# KiCad board for_real_486_2.kicad_pcb (continued)
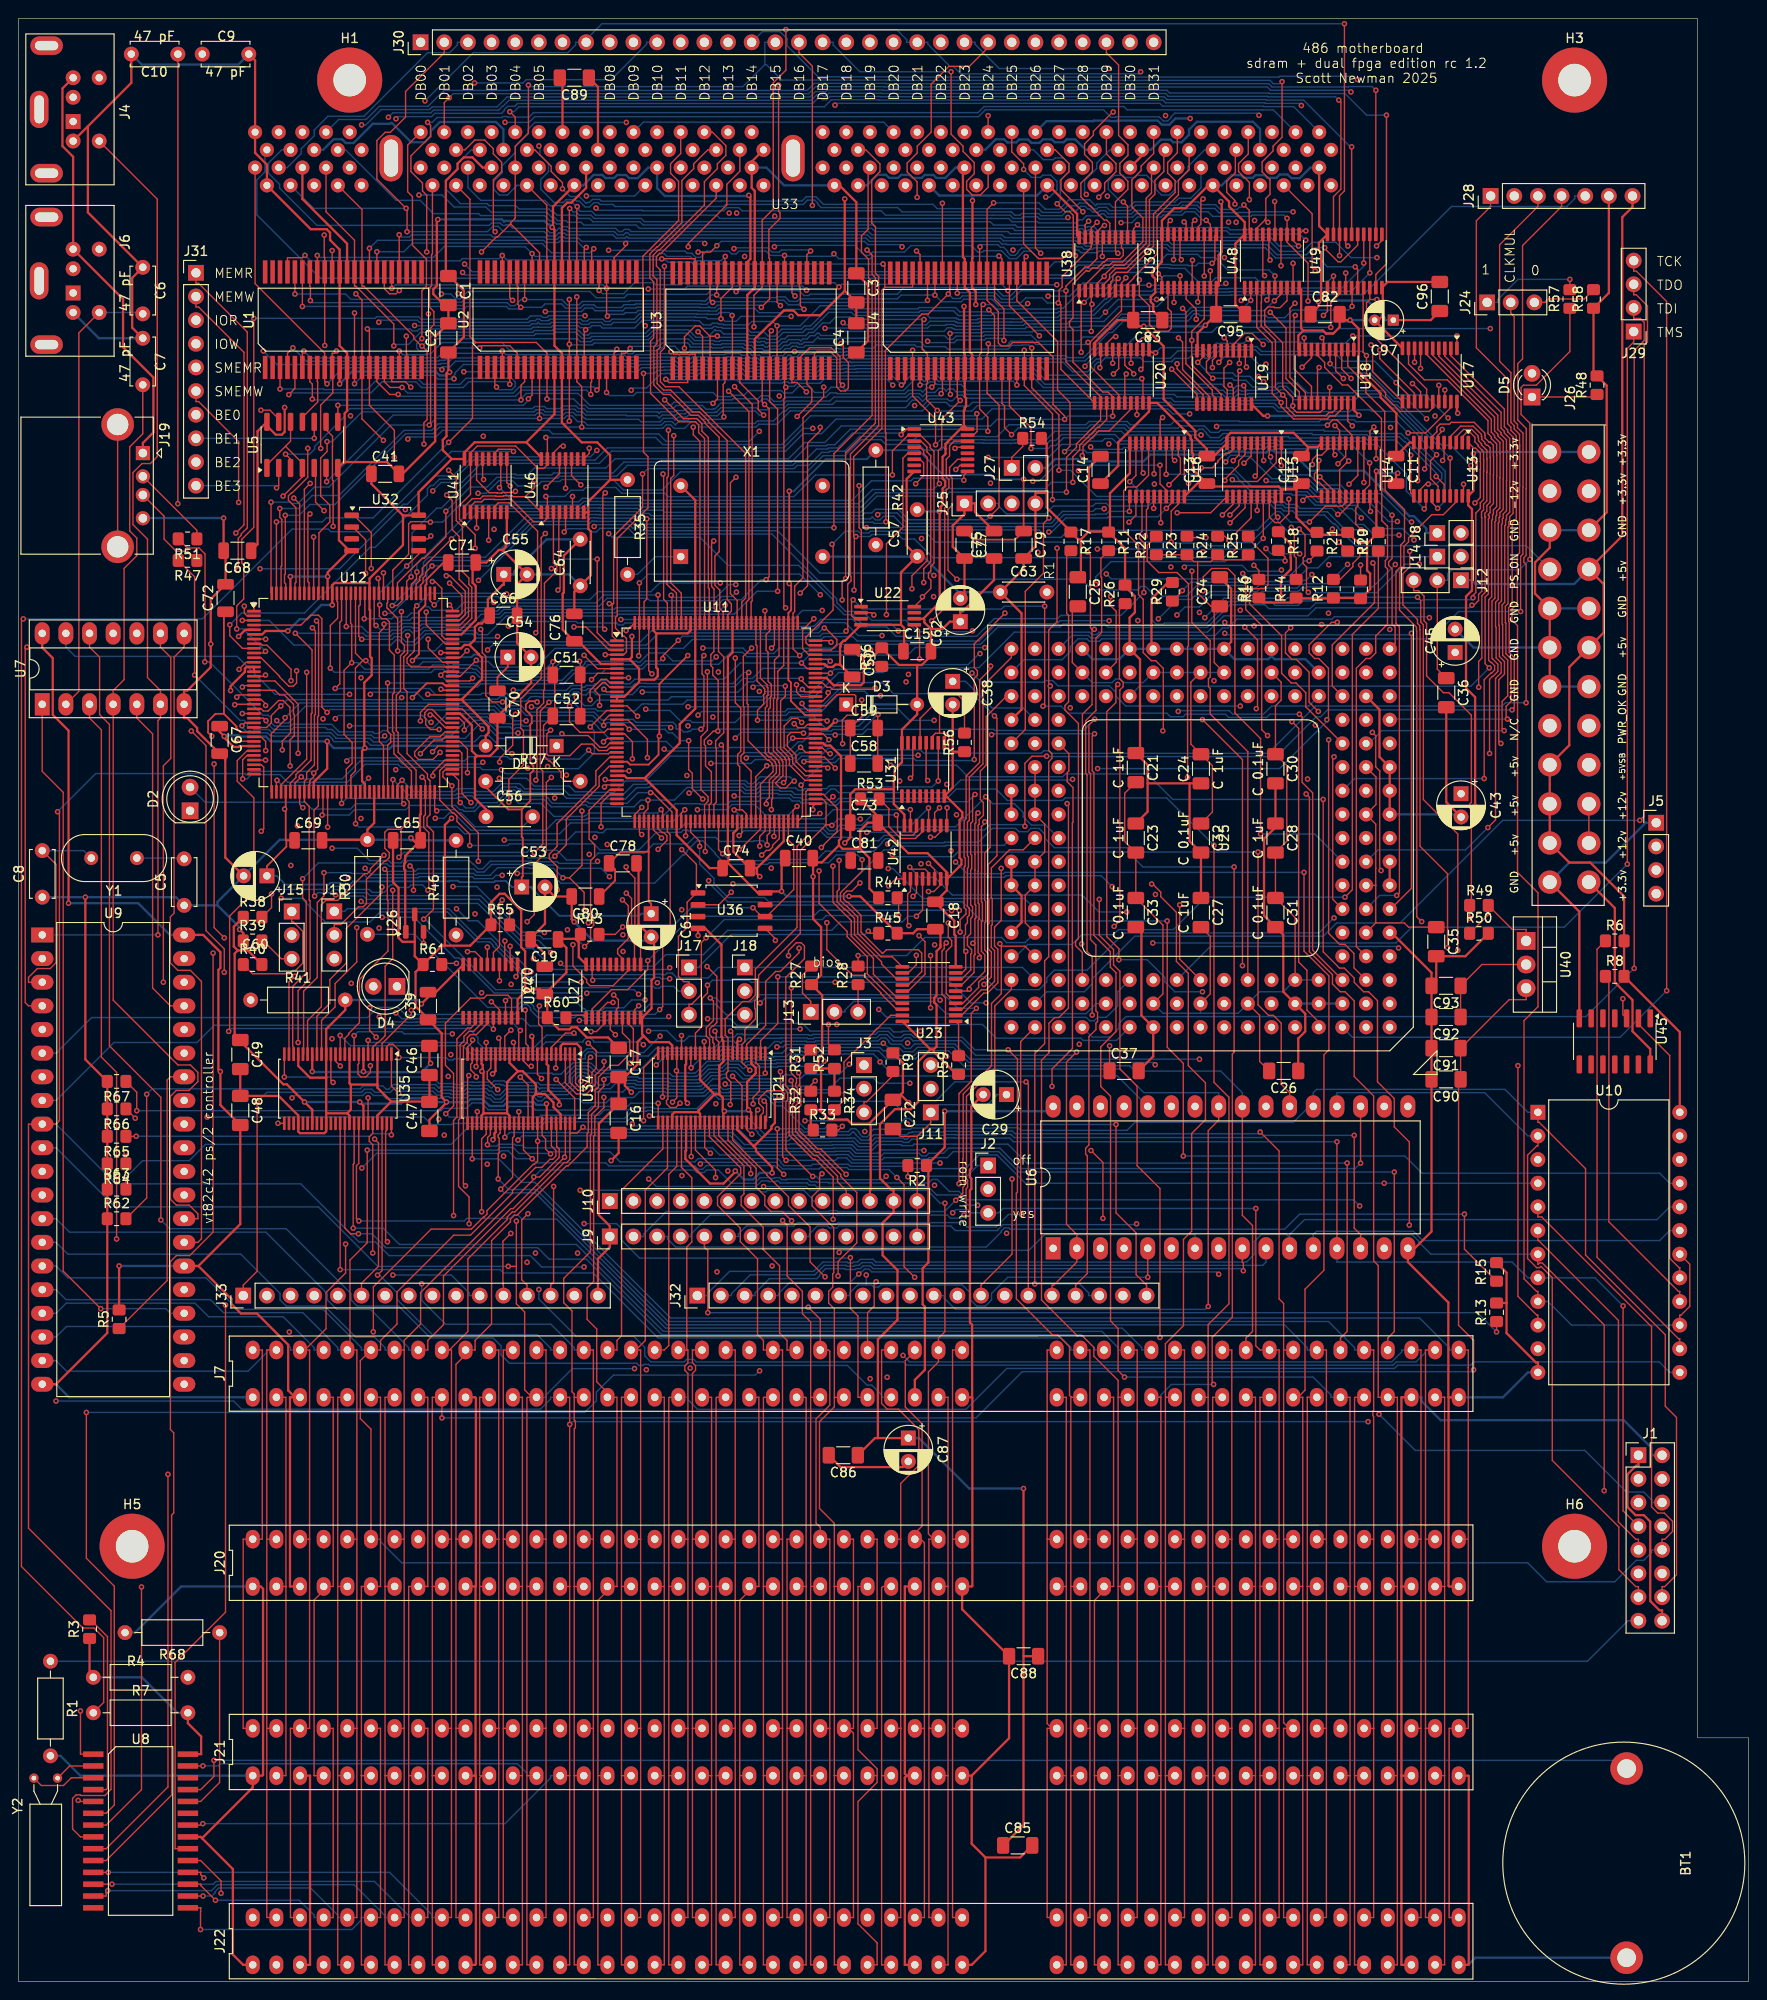
[diagram p0: board, top side]
## Routing (per net, layer and track width the routed paths; a pad name or vN(x,y) marks a point on that pad's centre or on a via; arc(x,y) is an arc through that point) (continued)
A11: length 48.8
  Top w0.15: U14.5 143.2,166.11 141.59,167.72 141.15,167.72 v1(140.59,167.16)
  In1.Cu w0.15: U25.R12 120.83,142.09 120.83,143.56 123.47,146.19 125.15,146.19 126,147.04 v1(126.84,147.04)
  In2.Cu w0.15: v1(128.67,167.01) 128.11,166.45 128.11,158.5 127.76,158.15 127.76,157.56 127.89,157.43 127.89,156.96 128.11,156.74 128.11,155.82 128.47,155.45 128.47,154.69 128.36,154.58 128.36,154.39 128.11,154.14 128.11,153.99 128.15,153.95 128.15,153.18 128.11,153.14 128.11,149.37 126.84,148.1 v1(126.84,147.04)
  Bottom w0.15: v1(140.59,167.16) 128.82,167.16 v1(128.67,167.01)
A12: length 29.4
  Top w0.15: U14.6 142.55,163.84 v1(141.72,163.01)
  In1.Cu w0.15: v1(140.73,152.16) 139.15,152.16 137.26,150.28 137.26,145.16 136.72,144.62 133.52,144.62 U25.S7
  In2.Cu w0.15: v1(141.72,163.01) 141.13,162.41 141.13,159.51 140.54,158.93 140.54,152.35 v1(140.73,152.16)
A13: length 40.2
  Top w0.15: U14.7 141.9,166.59 v1(141.39,167.1)
  In1.Cu w0.15: U25.Q10 125.68,139.32 127.18,139.32 128.22,140.36 128.22,140.83 129.25,141.86 129.73,141.86 130.76,142.89 130.76,143.66 v1(132.7,145.6)
  In2.Cu w0.15: v1(132.7,145.6) 132.7,150.68 137.37,155.34 137.75,155.34 138.15,155.74 138.15,156.24 137.37,157.02 137.37,163.08 v1(141.39,167.1)
A14: length 24
  Top w0.15: U14.8 141.25,164.1 v1(141.38,163.97)
  In1.Cu w0.15: v1(139.95,145.74) 137.34,143.13 U25.S5
  In2.Cu w0.15: v1(141.38,163.97) 140.77,163.36 140.77,159.66 139.95,158.84 v1(139.95,145.74)
A15: length 28.9
  Top w0.15: U14.9 140.6,164.56 139.97,163.93 139.44,163.93 138.97,163.47 v1(138.97,162.93)
  In2.Cu w0.15: U25.R7 133.42,141.97 133.42,150.83 137.55,154.96 137.87,154.96 139.23,156.33 139.23,156.99 138.97,157.25 v1(138.97,162.93)
A16: length 34.2
  Top w0.15: U15.2 135.09,165.11 135.09,163.14 133.06,161.1 130.56,161.1 v1(130.37,161.3)
  In1.Cu w0.15: v1(128.4,139.7) 128.4,139.49 U25.Q9
  In2.Cu w0.15: v1(128.4,139.7) 128.4,148.15 128.82,148.57 128.82,152.86 128.85,152.89 128.85,153.89 129.06,154.1 129.06,154.28 129.17,154.39 129.17,156.69 128.71,157.15 128.71,158.1 128.82,158.21 128.82,161.29 129.35,161.81 129.85,161.81 v1(130.37,161.3)
A17: length 43.2
  Top w0.15: v1(145.47,152.35) 145.64,152.18 145.64,148.09 141.1,143.55 141.1,139.14 U25.Q3 ; U15.3 134.34,163.88 v1(134.47,163.75)
  In1.Cu w0.15: v1(145.47,152.35) 146.16,152.35 149.62,155.81 v1(149.62,156.75)
  Bottom w0.15: v1(134.47,163.75) 134.47,163.15 135.81,161.81 138.67,161.81 139.75,160.72 141.99,160.72 142.92,159.79 146.38,159.79 149.42,156.75 v1(149.62,156.75)
A18: length 30
  Top w0.15: U15.4 133.69,163.4 v1(133.73,163.36)
  In2.Cu w0.15: v1(137.6,153.34) 137.6,151.01 139.16,149.45 139.16,148.89 138.38,148.12 138.38,142.35 137.11,141.08 U25.R5 ; v1(133.73,163.36) 134.57,162.52 134.57,154.49 v1(133.97,153.9)
  Bottom w0.15: v1(133.97,153.9) 134.54,153.34 v1(137.6,153.34)
A19: length 67.2
  Top w0.15: U15.5 133.04,161.9 v1(132.82,161.68)
  In1.Cu w0.15: v1(132.82,161.68) 132.82,161.54 134.51,159.85 136.7,159.85 137.08,159.47 137.08,159.02 136.7,158.64 136.2,158.64 135.69,159.15 125.77,159.15 125.02,159.89 122.93,159.89 v1(121.99,160.83)
  In2.Cu w0.15: v1(124.56,136.41) 123.36,137.61 123.36,148.48 123.1,148.74 123.1,155.38 123.26,155.54 123.26,157.26 122.71,157.82 122.71,158.31 121.99,159.03 v1(121.99,160.83)
  Bottom w0.15: U25.Q4 138.59,136.98 134.59,136.98 133.71,136.11 130.41,136.11 130.03,136.49 124.64,136.49 v1(124.56,136.41)
A20: length 28.7
  Top w0.15: v1(131.62,163.07) 132.39,163.83 U15.6
  In2.Cu w0.15: v1(131.62,163.07) 131.12,162.57 131.12,154.74 130.93,154.54 130.93,154.38 130.7,154.15 130.7,153.51 130.71,153.5 130.71,153.02 130.7,153.01 130.7,152.92 130.21,152.43 130.21,146.98 130.57,146.62 130.57,139.13 U25.Q8
A20M: length 26.2
  In1.Cu w0.15: U25.D15 110.44,108.84 108.94,108.84 107.9,107.8 107.9,107.32 107.09,106.51 103.71,106.51 102.25,105.05 101.75,105.05 94.88,98.18 92.18,98.18 91.93,98.42 J3.1
A21: length 37.6
  Top w0.15: v1(132.94,136.7) 133.07,136.83 133.07,144.09 v1(131.7,145.46) ; v1(129.57,161.22) 129.57,161.35 131.05,162.83 131.05,163.31 131.74,164 U15.7
  In1.Cu w0.15: v1(129.56,145.97) 131.19,145.97 v1(131.7,145.46) ; v1(132.94,136.7) 135.77,136.7 U25.Q5
  In2.Cu w0.15: v1(129.57,161.22) 130.7,160.09 130.7,155.51 130.58,155.39 130.58,154.53 130.35,154.3 130.35,154.22 129.98,153.85 129.88,153.85 129.55,153.52 129.55,145.97 v1(129.56,145.97)
A22: length 30.7
  Top w0.15: v1(130.47,163.35) 131.09,163.97 U15.8
  In2.Cu w0.15: v1(130.47,163.35) 130.77,163.64 131.86,163.64 132.2,163.3 132.2,162.83 131.48,162.1 131.48,154.43 131.05,154.01 131.05,153.66 131.06,153.65 131.06,152.78 131.05,152.77 131.05,152.09 130.56,151.6 130.56,148.04 130.65,147.95 130.65,147.04 130.95,146.74 130.95,139.13 U25.Q7
A23: length 46
  Top w0.15: v1(127.04,162.58) 128.22,162.58 128.81,163.18 128.81,163.3 129.65,164.13 130.04,164.13 130.44,164.53 U15.9
  In1.Cu w0.15: v1(149.88,154.82) 149.63,154.82 146.25,151.45 146.25,147.19 U25.S3
  Bottom w0.15: v1(149.88,154.82) 148.65,156.04 146.21,156.04 143.72,158.54 142.54,158.54 141.82,159.26 139.62,159.26 139.22,159.66 139.22,159.67 138.54,160.35 138.06,160.35 137.91,160.5 132.49,160.5 130.4,162.58 v1(127.04,162.58)
A24: length 40
  Top w0.15: v1(123.57,160.76) 124.79,161.98 124.79,163.62 124.57,163.84 U16.2
  In2.Cu w0.15: v1(135.65,151.6) 136.17,151.08 136.17,148.49 135.68,148 135.68,139.15 U25.Q6 ; v1(123.57,160.76) 123.57,160.31 125.4,158.49 125.4,152.08 v1(125.22,151.9)
  Bottom w0.15: v1(125.22,151.9) 125.4,152.09 131.44,152.09 132.06,151.46 135.51,151.46 v1(135.65,151.6)
A25: length 46.5
  Top w0.15: U16.3 123.92,163.63 v1(124.18,163.37)
  In1.Cu w0.15: v1(147.28,145.21) 145.77,143.7 145.77,141.62 U25.R2 ; v1(133.99,161.2) 133.99,161.33 133.06,162.26 132.58,162.26 132.32,162 126.81,162 125.44,163.37 v1(124.18,163.37)
  In2.Cu w0.15: v1(147.28,145.21) 147.28,155.99 v1(148.1,156.81)
  Bottom w0.15: v1(133.99,161.2) 134.14,161.05 138.34,161.05 139.43,159.97 141.61,159.97 142.69,158.89 145.07,158.89 147.16,156.81 v1(148.1,156.81)
A26: length 40.7
  Top w0.15: U16.4 v1(123.27,161.88)
  In2.Cu w0.15: v1(144.22,157.19) 144.8,156.62 144.8,143.19 U25.S2
  Bottom w0.15: v1(123.27,161.88) 130.61,161.88 130.94,161.54 130.94,161.43 132.23,160.14 137.14,160.14 137.28,160 138.4,160 138.87,159.52 138.87,159.48 139.44,158.91 141.67,158.91 142.39,158.19 143.23,158.19 v1(144.22,157.19)
A27: length 47.6
  Top w0.15: U16.5 122.61,167.71 v1(122.88,167.97) ; v1(147.53,157.48) 147.53,152.83 147.16,152.47 147.16,152.09 147.53,151.72 147.53,145.78 147.86,145.45 147.86,143.71 U25.S1
  In1.Cu w0.15: v1(122.88,167.97) 125.33,165.52 127.34,165.52 v1(129.66,163.21)
  Bottom w0.15: v1(147.53,157.48) 145.77,159.24 142.83,159.24 141.76,160.32 139.58,160.32 138.5,161.41 134.61,161.41 132.2,163.81 131.19,163.81 131.08,163.92 130.19,163.92 129.89,163.62 129.89,163.44 v1(129.66,163.21)
A28: length 57.9
  Top w0.15: v1(121.96,161.92) U16.6
  In2.Cu w0.15: v1(121.96,161.92) 122.58,161.31 122.58,160.42 125.04,157.96 125.04,152.54 124.42,151.92 v1(124.42,146.77) ; U25.R1 148.32,141.64 148.32,145.54 147.88,145.98 v1(147.88,152.19)
  Bottom w0.15: v1(147.88,152.19) 145.47,149.78 138.3,149.78 138.21,149.69 137.85,149.69 137.47,149.3 133.55,149.3 133.16,148.91 128.1,148.91 126.81,147.62 125.27,147.62 v1(124.42,146.77)
A29: length 57.3
  Top w0.15: U16.7 121.37,165.16 121.37,161.77 120.11,160.51 119.1,160.51 118.69,160.11 118.69,155.84 120.3,154.24 120.3,148.94 120.8,148.44 120.8,142.72 121.66,141.86 122.13,141.86 122.95,141.04 122.95,134.37 v1(122.9,134.32)
  In1.Cu w0.15: U25.P2 143.24,134.01 134.77,134.01 134.39,134.39 122.97,134.39 v1(122.9,134.32)
A30: length 57.1
  Top w0.15: U16.8 120.67,162.14 v1(120.79,162.01)
  In1.Cu w0.15: v1(140.7,146.95) 140.7,149.32 v1(138.91,151.11) ; v1(139.3,134.94) 141.62,134.94 U25.P3
  In2.Cu w0.15: v1(120.79,162.01) 120.79,156.17 121.05,155.92 121.15,155.92 121.88,155.19 121.88,148.64 v1(122.31,148.21) ; v1(139.3,134.94) 139.01,135.23 139.01,136.67 139.33,137 140.08,137 140.7,137.61 v1(140.7,146.95)
  Bottom w0.15: v1(122.31,148.21) 122.88,148.78 125.42,148.78 126.57,149.94 131.7,149.94 132.01,149.63 132.88,149.63 133.26,150.01 136.57,150.01 136.93,150.36 137.53,150.36 137.66,150.48 138.28,150.48 v1(138.91,151.11)
A31: length 53.9
  Top w0.15: v1(119.36,161.09) 120.02,161.75 U16.9
  In2.Cu w0.15: v1(148.27,155.34) 148.45,155.16 148.45,151.95 148.32,151.82 148.32,146.21 148.68,145.86 148.68,139.45 U25.Q1
  Bottom w0.15: v1(148.27,155.34) 145.61,155.34 144.46,156.49 143.59,156.49 141.52,158.56 139.27,158.56 138.52,159.31 138.52,159.38 138.25,159.65 136.82,159.65 136.68,159.79 132.09,159.79 131.8,160.08 120.37,160.08 v1(119.36,161.09)
AB00: length 428.5
  Top w0.15: U13.18 154.42,158.92 153.02,157.53 151.78,157.53 149.3,155.06 149.3,154.63 148.81,154.13 148.81,151.8 148.33,151.33 148.33,147.28 150.15,145.46 150.15,145.07 150.18,145.03 150.18,114.35 v1(150.7,113.83) ; U12.49 v1(33.19,123.98) ; U21.2 79.7,101.05 81.54,102.89 v1(81.54,107.9) ; U8.10 9.4,12.98 16.44,20.02 16.44,50.09 16.66,50.32 16.66,58.92 16.3,59.28 16.3,77.32 16.95,77.96 18.38,77.96 20.89,80.47 v1(20.89,110.45)
  In1.Cu w0.15: v1(20.89,110.45) 20.89,111.7 26.6,117.41 27.69,117.41 31.53,121.25 ; v1(69.93,108.88) 69.93,108.97 71,110.03 73.03,110.03 73.37,109.69 73.37,108.77 73.71,108.43 75.53,108.43 76.88,109.78 76.88,109.87 77.04,110.03 79.41,110.03 v1(81.54,107.9) ; v1(141.3,114.23) 141.7,113.83 v1(150.7,113.83) ; v1(33.19,123.98) 33.19,122.91 31.53,121.25 ; 31.53,121.25 v1(36.78,116)
  In2.Cu w0.15: v1(150.7,113.83) 150.7,101.26 145.42,95.97 145.42,86.57 139.06,80.22 139.06,78.74 ; J1.4 176.53,55.1 176.81,55.1 177.69,55.98 177.69,61.01 177.35,61.34 177.35,78.63 178.3,79.57 178.43,79.57 U10.19
  Bottom w0.15: v1(69.93,108.88) 69.74,108.69 57.49,108.69 55.24,110.94 54.17,110.94 49.32,115.78 36.99,115.78 v1(36.78,116) ; 139.06,78.74 139.06,80.22 139.42,80.57 149.82,80.57 150.82,79.57 176.27,79.57 177.35,80.65 U10.19 ; v1(141.3,114.23) 139.68,112.62 118.76,112.62 114.76,108.62 111.26,108.62 110.44,107.8 110.44,107.35 109.61,106.52 105.07,106.52 103.69,107.9 v1(81.54,107.9)
AB01: length 551.4
  Top w0.15: v1(31.56,145.39) 31.87,145.08 31.87,136.09 31.77,135.99 31.77,130.67 30.94,129.84 30.94,129.14 30.69,128.89 U12.44 30.69,126.73 30.69,126.73 31.21,126.21 31.21,116.17 31.31,116.08 31.31,107.7 30.02,106.41 v1(30.02,100.84) ; v1(78.9,94.25) 78.9,94.95 79.57,95.62 79.57,98.3 79.2,98.67 U21.3 ; v1(51.33,171.25) 51.16,171.43 U2.3 ; U4.3 95.22,171.7 95,171.47 v1(94.83,171.47) ; v1(28.08,171.04) U1.3 ; v1(16.04,54.46) 16.04,20.89 9.4,14.25 U8.9 ; v1(69.51,172.08) 69.87,171.73 71.87,171.73 U3.3 ; U13.17 v1(153.76,163.61)
  In1.Cu w0.15: 31.71,66.13 31.71,68.07 30.02,69.76 v1(29.08,69.76) ; 31.71,66.13 31.71,62.49 23.68,54.46 v1(16.04,54.46) ; 31.71,66.13 55.64,66.13 56.9,67.39 56.9,68.32 60.76,72.18 65.55,72.18 67.03,73.66 J32.1 ; v1(51.33,171.25) 52.3,172.22 66.53,172.22 66.67,172.08 v1(69.51,172.08)
  In2.Cu w0.15: U10.20 178.43,82.11 178.3,82.11 175.12,78.93 175.12,53.41 174.27,52.56 173.99,52.56 173.99,51.44 ; J32.1 72.9,74.79 72.5,75.19 72.5,88.03 72.88,88.41 72.88,88.91 78.22,94.25 v1(78.9,94.25) ; v1(28.08,171.04) 28.08,170.56 29.24,169.4 29.24,161.66 28.98,161.39 28.98,159.08 29.22,158.84 29.22,155.41 29.78,154.85 29.78,147.16 v1(31.56,145.39) ; v1(30.02,100.84) 30.02,92.28 28.08,90.34 28.08,70.76 v1(29.08,69.76)
  Bottom w0.15: v1(28.08,171.04) 32.72,171.04 32.78,170.98 37.43,170.98 38.61,172.16 42.88,172.16 43.49,171.55 47.42,171.55 48.06,172.19 52.95,172.19 53.33,171.81 53.33,171.32 52.98,170.96 51.62,170.96 v1(51.33,171.25) ; J32.1 74.02,73.66 74.02,73.92 76.36,76.26 85.39,76.26 86.39,77.26 89.01,77.26 89.11,77.17 89.58,77.17 89.68,77.26 90.12,77.26 90.42,77.56 91.77,77.56 92.07,77.26 131.9,77.26 132.71,78.08 132.71,79.46 133.49,80.23 136.21,80.23 136.52,79.91 ; v1(69.51,172.08) 69.57,172.02 77.14,172.02 77.49,171.68 82.04,171.68 82.16,171.8 82.64,171.8 82.76,171.68 83.15,171.68 83.5,172.02 84.6,172.02 84.63,172.06 85.98,172.06 86.37,172.44 93.86,172.44 v1(94.83,171.47) 95.76,172.4 97.21,172.4 97.29,172.31 97.36,172.31 97.57,172.52 98.63,172.52 98.92,172.23 109.05,172.23 110.08,171.2 128.62,171.2 128.93,170.89 129.39,170.89 129.74,170.54 130.51,170.54 130.86,170.89 131.28,170.89 131.35,170.82 131.83,170.82 131.91,170.89 134.98,170.89 135.41,171.32 136.18,171.32 137.23,170.27 143.47,170.27 143.71,170.51 146.38,170.51 147.54,169.34 148.04,169.34 150.7,166.68 v1(153.76,163.61) ; U10.20 177.35,83.19 175.98,81.82 138.12,81.82 136.52,80.22 136.52,79.91 ; 136.52,79.91 U6.11
AB02: length 580.3
  Top w0.15: v1(96.02,175.2) U4.4 96.02,170.29 98.49,167.82 v1(98.49,165.05) ; v1(70.07,175.05) 70.34,174.78 72.67,174.78 U3.4 ; v1(85.31,125.85) 85.31,126.23 U11.73 ; U8.8 6.64,15.52 5.8,16.36 5.8,19.66 6.17,20.03 6.63,20.03 6.69,19.96 9.26,19.96 9.93,20.63 9.93,39.81 1.06,48.68 1.06,92.08 U9.9 4.02,92.08 4.38,92.44 4.38,125.44 v1(4.18,125.64) ; U2.4 v1(51.95,175.11) ; v1(83.83,110.97) 83.83,110.49 81.82,108.48 81.31,108.48 80.24,107.41 80.24,102.68 78.2,100.64 U21.5 ; v1(29.46,175.46) 28.88,174.88 U1.4 ; U12.45 31.19,128.55 31.29,128.65 31.29,129 31.7,129.4 v1(31.7,129.78) 32.12,130.2 32.12,135.84 32.22,135.94 32.22,145.9 v1(32,146.13) ; v1(152.27,161.64) 153.12,160.79 U13.16
  In1.Cu w0.15: J32.2 74.31,73.66 74.31,74.36 71.94,76.74 v1(60.73,76.74)
  In2.Cu w0.15: v1(29.46,175.46) 29.6,175.33 29.6,160.17 30.16,159.61 30.16,158.95 29.81,158.6 29.81,156.28 30.04,156.04 30.04,155.08 30.2,154.93 30.2,147.92 v1(32,146.13) ; 90.13,117.41 90.13,116.18 84.92,110.97 v1(83.83,110.97) ; 90.13,117.41 90.67,117.41 92.04,118.77 92.04,130.32 93.32,131.6 93.32,144.77 94.68,146.13 94.68,150.11 94.7,150.13 94.7,150.48 94.99,150.77 94.99,160.3 95.49,160.8 95.49,162.05 v1(98.49,165.05) ; 90.13,117.41 89.79,117.75 89.79,122.57 86.35,126.02 85.48,126.02 v1(85.31,125.85)
  Bottom w0.15: v1(4.18,125.64) 8.28,129.73 24.31,129.73 24.42,129.62 24.51,129.62 24.86,129.97 31.51,129.97 v1(31.7,129.78) ; U9.9 4.02,92.08 10.43,85.67 30.3,85.67 36.55,79.42 38.33,79.42 39.79,77.96 54.97,77.96 56.19,76.74 v1(60.73,76.74) ; 70.07,174.84 v1(70.07,175.05) ; 70.07,174.84 70.78,174.84 71.14,174.48 71.9,174.48 72.26,174.84 74.13,174.84 74.22,174.74 75.87,174.74 75.96,174.84 77.47,174.84 77.63,174.67 78.28,174.67 78.63,174.32 79.43,174.32 79.61,174.14 81.02,174.14 81.14,174.26 82.25,174.26 82.66,174.67 82.91,174.67 83.1,174.48 83.58,174.48 83.9,174.8 85.2,174.8 85.33,174.94 87.88,174.94 87.93,174.99 87.96,174.99 88.73,174.99 88.79,175.06 95.88,175.06 v1(96.02,175.2) ; 70.07,174.84 68.65,174.84 68.61,174.8 67.88,174.8 67.81,174.73 66.33,174.73 66.07,174.47 65.3,174.47 65.04,174.73 52.34,174.73 v1(51.95,175.11) 51.71,174.87 46.54,174.87 45.8,174.13 45.23,174.13 45.16,174.05 44.04,174.05 44.01,174.02 30.9,174.02 v1(29.46,175.46) ; J32.2 76.56,73.66 76.56,73.87 78.59,75.89 85.52,75.89 85.69,76.06 86.23,76.6 86.54,76.91 88.87,76.91 88.96,76.82 89.73,76.82 89.82,76.91 90.27,76.91 90.57,77.21 91.63,77.21 91.92,76.91 133.63,76.91 133.99,77.26 133.99,78.74 ; v1(98.49,165.05) 99.03,165.59 103.7,165.59 103.72,165.56 106.89,165.56 106.92,165.59 110.39,165.59 111.3,166.49 114.93,166.49 115.28,166.84 118.78,166.84 119.15,166.47 126.57,166.47 126.82,166.72 127.2,166.72 127.59,166.34 127.59,166.25 128.02,165.82 128.93,165.82 129.36,166.25 138.91,166.25 139.03,166.13 144.83,166.13 145.06,165.91 148.29,165.91 148.8,165.39 148.9,165.39 152.27,162.02 v1(152.27,161.64)
AB03: length 435.2
  Top w0.15: 131.44,78.74 131.44,77.26 131.55,77.16 v1(131.55,76.33) ; U2.5 52.75,171.55 v1(52.75,171.55) ; v1(29.02,170.44) 29.68,171.1 U1.5 ; v1(13.2,42.37) 13.2,20.59 9.4,16.79 U8.7 ; v1(72.97,177.18) 73.47,176.69 U3.5 ; v1(78.54,97.87) 77.7,98.71 U21.6 77.7,100.63 78.01,100.95 78.01,102.24 79.15,103.37 79.15,104.42 79.06,104.51 79.06,105.32 79.49,105.75 79.49,108.08 83.96,112.56 83.96,121.47 86.73,124.23 ; U11.74 86.35,127 86.73,126.62 86.73,124.23 ; 86.73,124.23 87.28,124.23 v1(87.35,124.16) ; U13.15 152.46,160.6 151.66,161.4 151.66,163.33 v1(152.31,163.98) ; 96.83,173.22 v1(96.83,171.47)
  In1.Cu w0.15: 77.78,172.15 77.78,171.33 76.67,170.22 76.02,170.22 75.68,170.56 75.68,170.66 74.86,171.48 63.19,171.48 62.82,171.86 53.06,171.86 v1(52.75,171.55) ; 77.78,172.15 84.69,172.15 86.18,170.66 96.02,170.66 v1(96.83,171.47) ; 77.78,172.15 77.78,172.38 v1(72.97,177.18) ; v1(13.2,42.37) 32.06,61.23 60.92,61.23 61.85,62.16 61.85,63.12 65.13,66.4 66.09,66.4 67.06,67.36 67.06,68.25 71.33,72.53 75.98,72.53 76.85,73.4 76.85,73.66 J32.3
  In2.Cu w0.15: v1(90.41,124.85) 90.41,135.48 91.49,136.56 91.49,138.13 91,138.61 91,140.44 90.65,140.79 90.65,141.11 90.52,141.24 90.52,142.81 90.93,143.21 90.93,143.9 91.29,144.26 91.29,147 91.63,147.34 91.76,147.34 93.97,149.55 93.97,150.4 94,150.42 94,150.78 94.28,151.06 94.28,160.59 94.79,161.09 94.79,164.81 96.83,166.85 v1(96.83,171.47) ; J32.3 77.98,74.79 80.15,76.96 80.15,84.69 80.6,85.13 80.6,85.61 80.12,86.08 80.12,93.69 79.5,94.31 79.5,96.91 v1(78.54,97.87)
  Bottom w0.15: J32.3 79.1,73.66 79.1,73.94 80.64,75.48 85.73,75.48 86.04,75.79 86.04,75.91 86.38,76.25 86.69,76.56 88.72,76.56 88.82,76.46 89.88,76.46 89.97,76.56 90.41,76.56 90.71,76.85 91.48,76.85 91.78,76.56 131.32,76.56 v1(131.55,76.33) ; v1(52.75,171.55) 52.47,171.83 48.38,171.83 47.75,171.2 43.28,171.2 42.67,171.81 39.03,171.81 37.85,170.62 29.2,170.62 v1(29.02,170.44) ; v1(90.41,124.85) 88.03,124.85 v1(87.35,124.16) ; v1(96.83,171.47) 96.88,171.52 97.56,171.52 97.86,171.82 98.33,171.82 98.63,171.52 101.23,171.52 101.9,170.86 108.97,170.86 108.99,170.85 126.42,170.85 126.73,170.54 129.24,170.54 129.59,170.19 130.65,170.19 131.01,170.54 131.13,170.54 131.21,170.47 131.98,170.47 132.05,170.54 135.13,170.54 135.55,170.97 136.03,170.97 136.37,170.63 136.37,170.5 136.98,169.89 143.59,169.89 143.85,170.15 146.23,170.15 147.4,168.99 147.89,168.99 150.56,166.33 150.76,166.12 150.76,165.53 v1(152.31,163.98)
AB04: length 461.4
  Top w0.15: v1(86.23,121.79) 86.52,122.08 86.52,122.12 87.92,123.52 87.92,126.01 87.08,126.86 ; v1(152.43,158.22) 151.81,158.83 U13.14 ; 87.08,126.86 86.43,127.5 U11.75 ; 87.08,126.86 v1(87.47,127.26) ; v1(88.89,86.68) 86.17,89.41 85.83,89.41 83.83,91.41 83.83,93.93 84.02,94.13 84.02,96.06 83.83,96.25 83.83,96.29 83.91,96.38 83.91,97.46 v1(83.78,97.59) ; U3.6 74.27,176.7 ; 74.27,176.7 73.16,177.81 72.68,177.81 71.52,176.65 v1(71.52,175.41) ; 74.27,176.7 75.02,176.7 v1(75.05,176.73) ; v1(98.68,168.73) 97.52,169.9 97.52,171.59 97.62,171.7 97.62,174.75 97.06,175.32 97.06,178.32 v1(97.25,178.51) ; v1(30.63,175.12) 30.48,174.96 U1.6 ; v1(76.47,102.06) 76.7,101.83 U21.8 ; v1(49.51,175.45) 49.76,175.69 52.75,175.69 53.55,174.88 U2.6 ; U8.6 9.4,18.06 10.28,18.94 10.28,42.45 7.28,45.45 v1(7.28,61.11)
  In1.Cu w0.15: v1(49.51,175.45) 50.46,174.5 65.61,174.5 66.75,175.64 71.29,175.64 v1(71.52,175.41) ; v1(80.84,119.57) 84.01,119.57 v1(86.23,121.79) ; v1(96.24,169.26) 96.77,168.73 v1(98.68,168.73) ; v1(76.47,102.06) 78.82,102.06 83.29,97.59 v1(83.78,97.59)
  In2.Cu w0.15: v1(96.24,169.26) 96.24,166.76 94.43,164.96 94.43,161.23 93.93,160.73 93.93,151.21 93.6,150.88 93.6,149.68 91.62,147.69 91.48,147.69 90.94,147.15 90.94,146.87 90.65,146.59 90.65,144.12 90.58,144.05 90.58,143.54 90.17,143.13 90.17,141.09 90.3,140.97 90.3,140.47 90.65,140.12 90.65,138.47 91.14,137.98 91.14,136.78 89.8,135.45 89.8,129.59 v1(87.47,127.26) ; v1(79.59,65.58) 79.59,71.61 80.52,72.53 J32.4 ; U6.8 v1(128.9,75.95) ; v1(88.89,86.68) 90.24,85.33 v1(90.24,75.98) ; v1(80.84,119.57) 80.59,119.32 80.59,104.22 78.42,102.06 v1(76.47,102.06)
  Bottom w0.15: J32.4 81.64,73.66 81.64,73.9 82.81,75.07 89.33,75.07 v1(90.24,75.98) 90.47,76.21 90.56,76.21 90.86,76.5 91.33,76.5 91.63,76.21 128.65,76.21 v1(128.9,75.95) ; v1(49.51,175.45) 46.05,175.45 45.01,174.4 43.9,174.4 43.87,174.37 31.38,174.37 v1(30.63,175.12) ; v1(7.28,61.11) 60.81,61.11 62.06,62.36 62.06,63.29 63.89,65.12 79.13,65.12 v1(79.59,65.58) ; v1(98.68,168.73) 98.74,168.67 102.39,168.67 102.98,169.26 123.57,169.26 123.88,168.95 128.84,168.95 129.01,168.78 132.28,168.78 132.63,169.14 134.75,169.14 135.27,168.62 142.99,168.62 143.17,168.8 145.18,168.8 145.34,168.63 147.75,168.63 150.38,166 150.38,165.06 153.23,162.21 153.23,159.03 v1(152.43,158.22) ; v1(75.05,176.73) 75.18,176.59 78.2,176.59 78.36,176.43 79,176.43 79.36,176.08 79.66,176.08 79.71,176.14 80.1,176.14 80.32,175.92 80.42,176.02 81.52,176.02 81.94,176.43 82.3,176.43 82.63,176.76 84.54,176.76 84.9,177.11 85.36,177.11 86.04,177.79 86.04,177.79 86.37,178.13 87.12,178.13 87.76,178.77 89.3,178.77 89.56,178.51 v1(97.25,178.51)
AB05: length 323.8
  Top w0.15: v1(53.96,169.86) 53.96,171.43 54.36,171.83 U2.7 ; v1(98.1,171.24) 98.42,171.57 U4.7 ; v1(74.58,169.49) 75.07,169.98 U3.7 ; 84.57,125.23 84.57,122.9 83.61,121.94 83.61,113.2 79.14,108.72 79.14,105.9 78.48,105.24 77.76,105.24 75.9,103.38 75.9,101.64 76.2,101.34 U21.9 76.2,97.76 76.04,97.59 76.04,97.05 76.49,96.6 76.49,94.24 v1(76.43,94.18) ; 84.57,125.23 85.86,125.23 v1(86.07,125.44) ; 84.57,125.23 84.57,127.8 84.77,128 U11.76 ; v1(150.99,158.16) 151.17,158.33 U13.13 ; U1.7 31.28,171.83 31.55,171.56 v1(31.55,169.95)
  In1.Cu w0.15: v1(88.13,78.3) 87.83,78.3 84.18,74.66 84.18,73.66 J32.5 81.93,73.66 81.93,73.94 79.84,76.03 76.03,76.03 72.39,79.67 72.39,80.88 69.95,83.33 69.95,85.25 v1(71.25,86.55) ; v1(93.35,122.16) 93.3,122.11 91.59,122.11 89.59,124.12 88.72,124.12 87.4,125.44 v1(86.07,125.44)
  In2.Cu w0.15: v1(93.35,122.16) 93.35,128.72 94.6,129.97 94.6,139 94.4,139.2 94.4,140.43 95.45,141.48 95.45,147.56 95.38,147.63 95.38,149.82 95.4,149.84 95.4,150.19 100.08,154.87 100.08,160.61 103.16,163.69 v1(104.15,163.69) 100.56,167.27 100.56,170.04 100.71,170.19 100.71,170.66 100.33,171.04 99.85,171.04 99.76,170.95 99.5,170.95 99.21,171.24 v1(98.1,171.24) ; v1(76.43,94.18) 75.71,94.18 71.25,89.71 v1(71.25,86.55)
  Bottom w0.15: U6.7 126.36,80.22 110.21,80.22 108.52,78.52 88.36,78.52 v1(88.13,78.3) ; v1(98.1,171.24) 98.02,171.17 97.56,171.17 97.11,170.72 97.09,170.72 96.92,170.89 95.56,170.89 95.19,170.52 87.94,170.52 87.85,170.62 87.17,170.62 86.7,170.15 82.38,170.15 82.28,170.05 82.28,170.05 81.94,169.71 81.12,169.71 80.51,170.31 79.74,170.31 79.42,169.99 76.76,169.99 76.64,169.87 74.96,169.87 v1(74.58,169.49) 74.45,169.62 70.41,169.62 70.08,169.3 68.45,169.3 68.44,169.29 61.36,169.29 60.09,170.56 54.52,170.56 53.96,170 v1(53.96,169.86) 31.64,169.86 v1(31.55,169.95) ; v1(104.15,163.69) 110.62,163.69 112.02,165.09 114.52,165.09 114.87,165.44 116.4,165.44 116.68,165.72 117.47,165.72 118.07,165.12 129.22,165.12 129.57,165.47 133.72,165.47 133.8,165.55 135.23,165.55 135.36,165.43 144.54,165.43 144.89,165.07 145.91,165.07 149.06,161.92 149.06,160.08 v1(150.99,158.16)
AB06: length 322.7
  Top w0.15: v1(106.65,166.14) 105.9,166.89 105.9,169.23 105.62,169.5 U4.16 ; U11.78 84.45,129 82.8,130.66 82.8,131.3 82.69,131.4 82.69,131.54 81.85,132.39 81.85,137.54 82.35,138.04 v1(82.35,139.12) ; U3.16 82.27,171.12 82.28,171.11 ; 82.28,171.11 82.29,171.11 v1(82.4,171.22) ; 82.28,171.11 82.28,170.06 82.2,169.97 82.2,147.72 v1(82.38,147.54) ; v1(61.46,170.45) 61.46,171.73 61.55,171.83 U2.16 ; v1(151.42,160.83) 151.14,160.83 150.51,160.2 U13.12 ; v1(74.79,102.06) 74.92,101.93 74.92,101.19 75.2,100.91 U21.11 ; v1(85.3,86.46) 82.42,89.34 82.42,94.51 82.61,94.71 82.61,95.48 82.07,96.02 81.83,96.26 v1(81.83,97.71) ; U1.16 38.48,171.83 39.86,170.45 v1(40.77,170.45)
  In1.Cu w0.15: 87.15,74.26 86.72,73.84 86.72,73.66 J32.6 ; 87.15,74.26 87.67,74.79 88.6,74.79 89.26,74.13 89.26,73.43 90.16,72.53 109,72.53 109.73,73.27 109.73,74.03 112.33,76.63 123.19,76.63 123.83,77.26 123.83,78.74 ; 87.15,74.26 86.01,75.4 86.01,75.94 86.7,76.63 89.65,76.63 92.57,79.54 92.57,85.86 v1(93.18,86.48) ; v1(93.89,171.46) 94.5,172.07 100.72,172.07 v1(106.65,166.14) ; v1(81.83,97.71) 78.93,100.61 76.24,100.61 v1(74.79,102.06) ; v1(61.46,170.45) 62.19,169.72 68.53,169.72 68.82,170.01 68.82,170.11 69.16,170.45 69.63,170.45 70.01,170.07 75.18,170.07 75.73,169.52 77.13,169.52 78.83,171.22 v1(82.4,171.22)
  In2.Cu w0.15: v1(82.38,147.54) 82.52,147.4 82.52,139.28 v1(82.35,139.12) ; v1(74.79,102.06) 75.63,102.89 75.63,117.44 75.75,117.56 75.75,117.73 78.74,120.72 78.74,138.86 v1(78.88,139.01)
  Bottom w0.15: v1(40.77,170.45) 40.97,170.26 53.37,170.26 54.02,170.91 61,170.91 v1(61.46,170.45) ; v1(93.18,86.48) 92.81,86.11 88.65,86.11 88.6,86.16 85.98,86.16 85.68,86.46 v1(85.3,86.46) ; v1(78.88,139.01) 79.05,139.17 82.3,139.17 v1(82.35,139.12) ; v1(151.42,160.83) 152.28,160.83 152.86,161.41 152.86,162 149.12,165.74 149.01,165.74 148.5,166.26 145.2,166.26 144.95,166.51 140.28,166.51 140.17,166.62 129.12,166.62 128.88,166.38 128.04,166.38 127.35,167.07 124.77,167.07 124.54,166.85 119.27,166.85 118.92,167.2 115.14,167.2 114.79,166.84 107.36,166.84 v1(106.65,166.14) ; v1(82.4,171.22) 82.51,171.32 83.3,171.32 83.63,171.66 86.08,171.66 86.51,172.09 93.26,172.09 v1(93.89,171.46)